# KiCad board klor1_4_LP_KS33.kicad_pcb (continued)
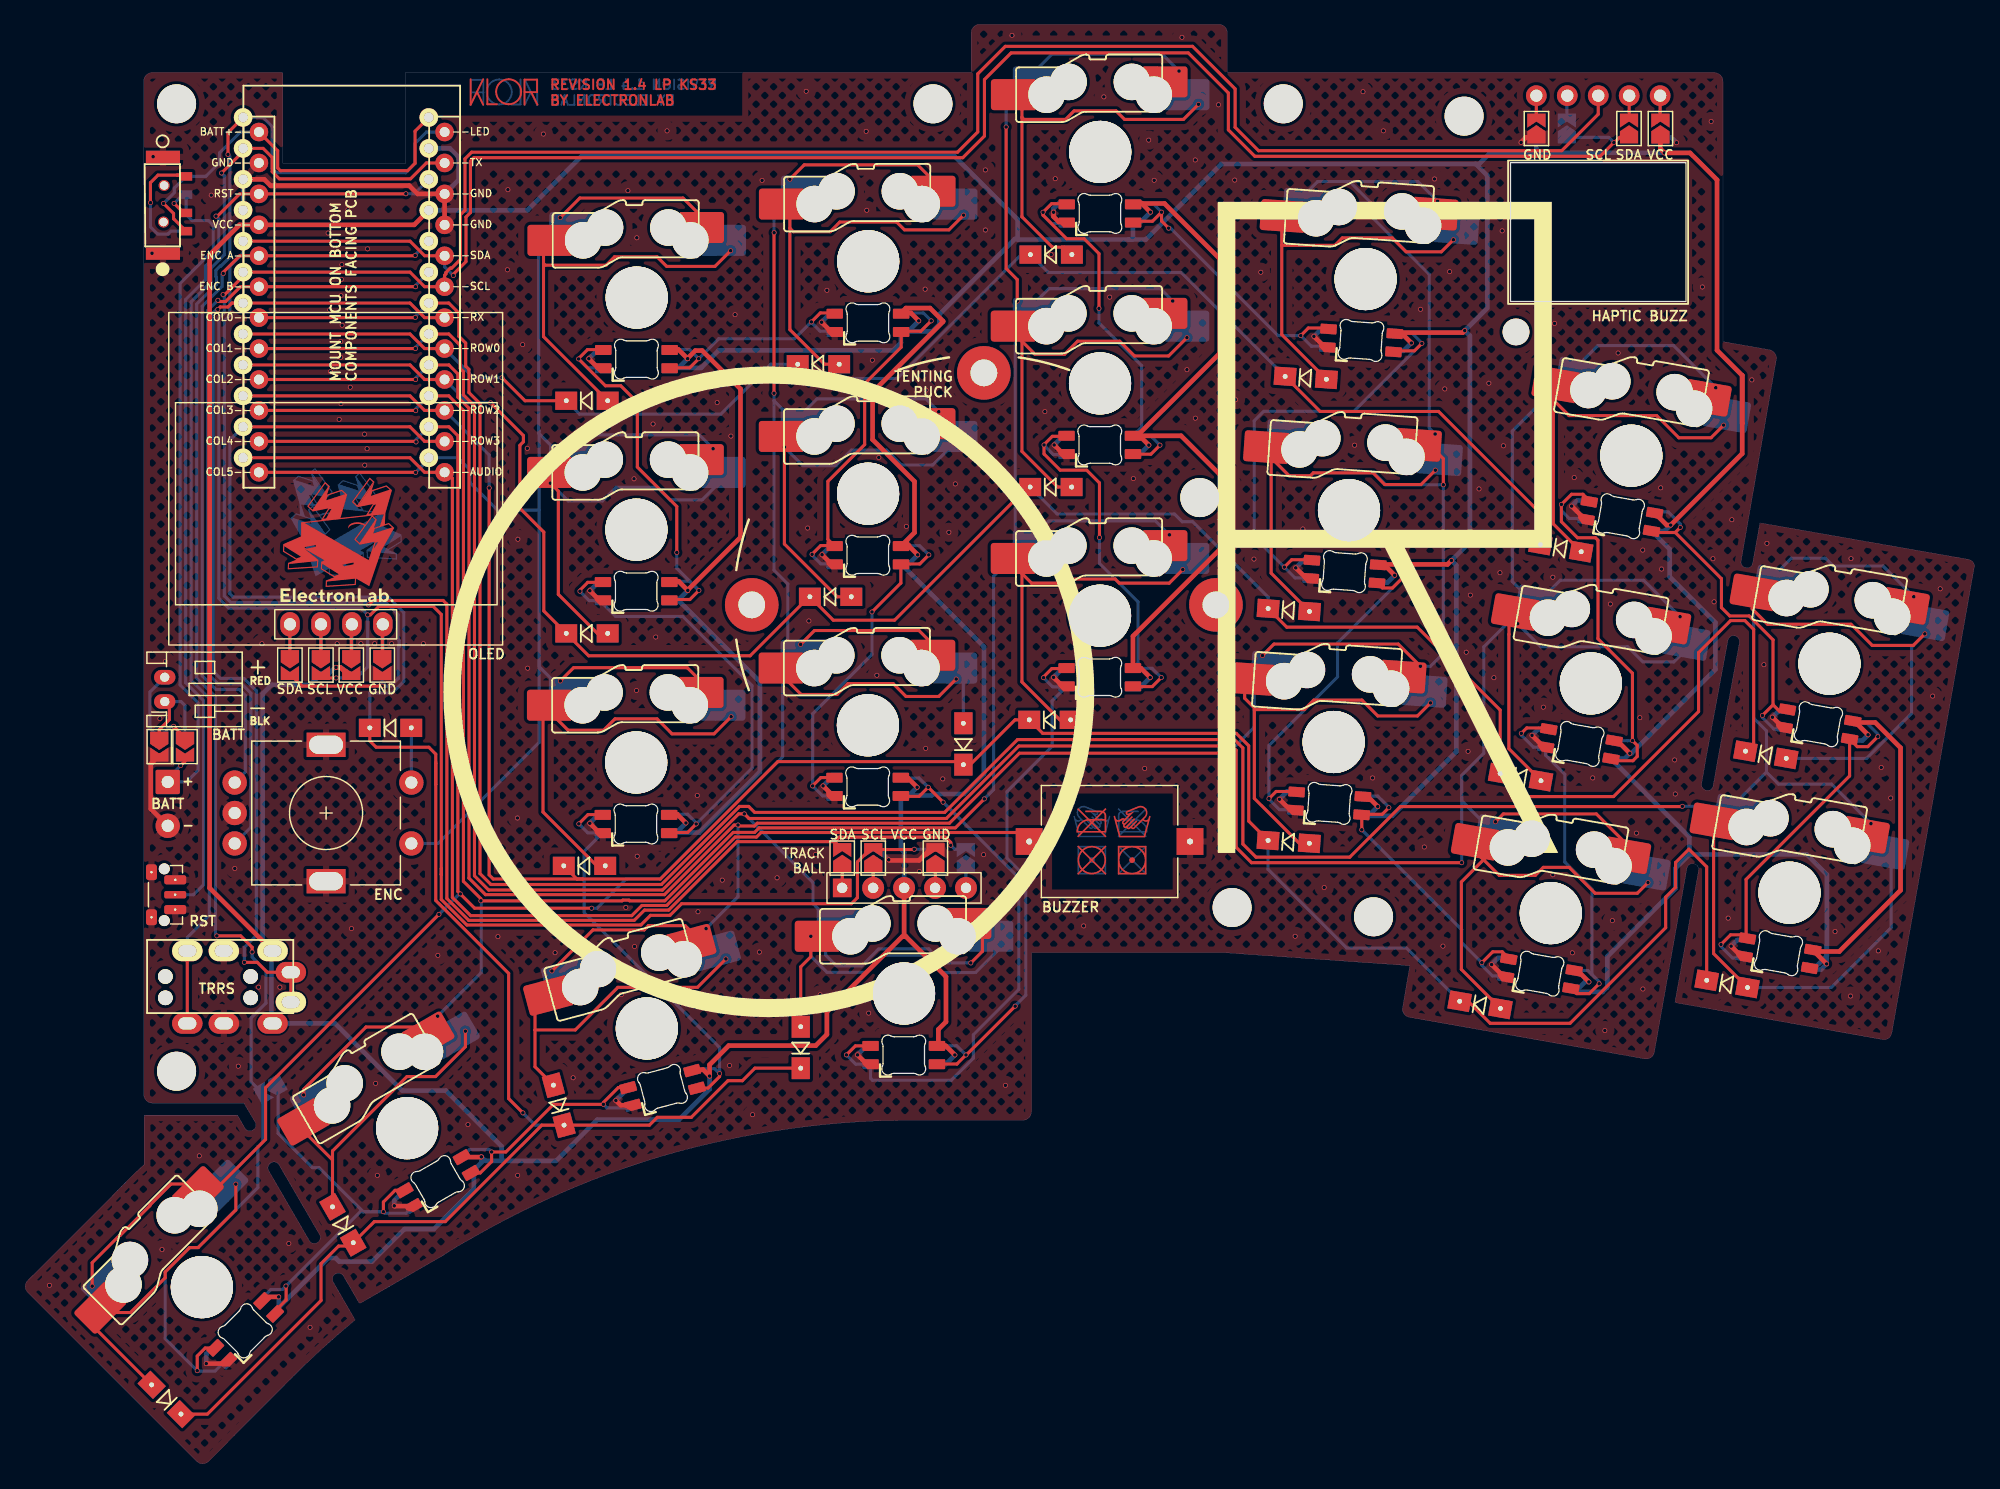
[diagram p0: board, top side]
## Routing (per net, layer and track width the routed paths; a pad name or vN(x,y) marks a point on that pad's centre or on a via; arc(x,y) is an arc through that point) (continued)
VCC: length 825.1
  Top w0.381: 90.79,84.46 91.54,84.46 v1(92.29,83.71) ; 74.87,34.39 75.62,34.39 v1(76.37,33.64) ; 72.36,43.35 75.64,40.07 75.64,36.36 75.01,35.73 75.01,34.34 ; 72.36,43.35 72.2,43.51 J3.3 ; 72.36,43.35 72.04,43.35 65.87,37.17 65.87,35.32 64.95,34.4 57.81,34.4 56.24,32.83 v1(56.24,31.9) 55.71,32.43 54.89,32.43 SW21.4 ; v1(92.42,102.84) 91.67,103.59 90.92,103.59 ; 90.92,103.59 91.6,103.59 ; 71.77,56.37 72.45,56.37 ; 53.42,72.47 52.94,72.47 ; 90.9,65.38 91.65,65.38 v1(92.4,64.63) ; 71.82,75.45 72.57,75.45 v1(73.32,74.7) ; 71.77,56.37 72.52,56.37 v1(73.27,55.62) ; v1(128.41,39.63) 127.38,40.66 127.17,40.66 ; 140.99,89.43 138.92,91.5 138.92,105.49 136.71,107.7 v1(134.61,107.7) 134.27,108.04 134.27,108.6 ; 140.99,89.43 140.99,83.01 v1(135.12,77.14) 134.79,77.14 SW5.4 ; 140.99,89.43 140.99,85.52 141.02,85.49 ; U1.21 32,101.8 U1.21 17.67,101.8 15.2,99.34 15.2,47.35 J1.1 ; 52.94,53.4 53.58,53.4 v1(54.3,52.68) ; 25.59,65.45 v1(25.58,65.47) 25.94,65.47 26.48,64.93 JP2.2 ; v1(147.92,41.11) 146.9,42.13 146.86,42.13 148.95,42.13 153.98,47.16 153.98,58.86 151.9,60.94 150.18,60.94 150.3,60.94 v1(151.32,59.92) ; v1(118.22,93.11) 118.05,92.95 112.45,92.95 112.98,92.95 v1(113.84,92.09) ; SW7.4 73.06,76.53 73.06,80.72 69.62,84.16 69.62,88.06 75.39,93.84 75.39,93.89 74.32,94.96 72.35,94.96 71.94,94.55 ; SW20.4 37.48,25.25 v1(37.51,25.27) ; v1(73.41,93.91) 72.76,94.56 71.94,94.56 ; 109.79,54.89 110.22,54.89 v1(111.08,54.03) ; 72.29,75.39 71.81,75.39 ; 90.79,84.46 91.47,84.46 ; v1(131.77,58.4) 130.73,59.44 SW10.4 ; v1(112.47,73.02) 111.57,73.92 111.12,73.92 116.8,73.92 v1(117.13,74.24) ; 72.61,75.48 71.94,75.48 ; 74.87,34.39 75.55,34.39 ; 90.99,103.55 93.57,103.55 98.12,99 98.12,91.26 91.33,84.48 SW8.4 94.93,84.48 98.93,80.48 98.93,75.96 90.99,68.02 SW14.4 ; 71.82,75.45 72.5,75.45 ; 90.9,65.38 91.58,65.38 ; 52.95,72.53 53.63,72.53 ; 52.95,72.53 53.7,72.53 v1(54.45,71.78) 54.45,71.82 58.77,76.14 58.77,88.32 55.62,91.47 55.07,91.47 54.44,90.84 v1(54.44,90.8) 53.68,91.56 52.94,91.56 ; 19.28,13.43 19.62,13.77 v1(20.88,13.77)
  Bottom w0.381: SW6.4 53.68,70.97 60.37,64.28 60.37,56.89 55.38,51.9 52.94,51.9 ; 39.17,24.94 37.84,24.94 v1(37.51,25.27) 37.51,24.8 SW20.4 36.9,23.71 36.9,22.63 33.61,19.34 31.2,19.34 28.53,16.68 25.83,16.68 25.55,16.96 24.93,16.96 20.34,12.37 20.88,12.91 v1(20.88,13.77) ; 39.17,24.94 43.64,24.94 47.02,28.32 53.73,28.32 56.24,30.83 v1(56.24,31.9) ; 39.17,24.94 39.17,26.13 34.59,30.71 31.01,30.71 25.5,36.23 J1.1 ; 52.94,90.05 55.55,90.05 56.99,91.49 71.32,91.49 71.94,92.12 71.94,93.05 74.51,93.05 75.1,93.64 75.1,94.44 81.29,100.63 81.52,100.63 ; v1(128.41,39.63) 128.09,39.63 127.27,38.81 129.52,38.81 129.92,39.21 129.92,41.72 135.5,47.31 135.5,48.95 136.65,50.1 ; v1(92.42,102.84) 91.68,102.09 90.92,102.09 ; 146.6,40.65 147.46,40.65 v1(147.92,41.11) 147.92,42.65 ; 136.65,50.1 146.28,50.1 147.94,48.44 147.94,41.79 146.93,40.78 SW17.4 ; 136.65,50.1 136.65,51.53 SW10.4 131.32,57.96 v1(131.77,58.4) 131.89,58.4 138.79,65.29 138.79,69.14 135.04,72.89 135.04,75.16 SW5.4 134.63,76.66 v1(135.12,77.14) ; 119.12,106.79 119.4,106.79 120.24,107.63 123.82,107.63 ; 119.12,106.79 98.24,106.79 92.03,100.59 90.61,100.59 ; 119.12,106.79 120.07,105.84 120.07,94.96 v1(118.22,93.11) 118.64,92.69 118.64,75.75 v1(117.13,74.24) 117.53,73.84 117.53,58.54 112.26,53.27 109.81,53.27 109.69,53.4 110.44,53.4 v1(111.08,54.03) ; v1(113.84,92.09) 113.19,91.45 112.35,91.45 ; 52.94,90.06 53.69,90.06 v1(54.44,90.8) ; 71.77,54.87 72.53,54.87 v1(73.27,55.62) ; v1(54.45,71.78) 53.71,71.03 52.95,71.03 ; v1(92.29,83.71) 91.55,82.96 90.79,82.96 ; 111.02,72.42 111.87,72.42 v1(112.47,73.02) ; 71.94,73.98 78.76,67.15 78.76,56.73 77.09,55.06 74.58,55.06 74.46,54.95 71.98,54.95 SW13.4 71.94,50.57 72.2,50.31 J3.3 ; v1(76.37,33.64) 75.63,32.89 74.87,32.89 ; 90.9,63.88 91.66,63.88 v1(92.4,64.63) ; 81.52,100.63 81.56,100.59 90.9,100.59 90.99,100.68 90.99,102.05 ; 81.52,100.63 81.52,102.24 76.33,107.43 45.73,107.43 41.29,102.99 U1.21 ; 123.68,107.71 134.6,107.71 v1(134.61,107.7) ; 71.94,93.06 72.55,93.06 v1(73.41,93.91) ; v1(54.3,52.68) 53.52,51.9 52.94,51.9 ; 20.24,42.18 19.56,42.86 19.56,63.31 20.29,64.03 23.44,64.03 JP7.2 24.97,64.93 25.51,65.47 v1(25.58,65.47) 25.56,65.45 ; 149.92,59.46 150.85,59.46 v1(151.32,59.92) ; 20.28,36.32 20.28,42.09 ; v1(73.32,74.7) 72.58,73.95 71.82,73.95 ; JP12.1 124.1,107.66
+BATT: length 33.4
  Top w0.254: v1(11.42,103.55) 12.24,102.73 12.24,102.3 12.25,102.3 PSW1.3 ; U1.24 20.79,107.88 20.79,106.46 21.01,106.24 31.46,106.24 32.07,106.85 32.07,109.49 U1.24
  Bottom w0.254: v1(11.42,103.55) 12.3,104.44 12.3,104.81 PSW1.3 14.89,105.78 16.02,106.91 16.02,107.72 17.72,109.42 U1.24
/PAD1: length 7.6
  Top w0.254: 11.07,59.45 11.07,60.34 11.9,61.17 11.9,62.28
  Bottom w0.254: JP23.1 13.18,62.33 12.86,62.65 BT1.1
/PAD2: length 8.7
  Top w0.254: v1(12.25,60.62) 12.25,60.62 JP24.1
  Bottom w0.254: BT1.2 10.31,63.44 10.31,60.44 JP25.1 12.02,60.62 v1(12.25,60.62)
/PSW: length 59.5
  Top w0.254: v1(12.83,57.4) 13.19,57.76 JP24.2 ; 13.07,102.78 v1(12.29,103.56)
  Bottom w0.254: PSW1.2 13.27,102.64 13.76,102.15 15.1,102.15 15.5,101.75 15.5,99.71 12.78,96.99 12.78,64.02 14.25,62.55 14.25,57 13.31,56.05 BT2.1 11.77,56.34 v1(12.83,57.4) 13.18,57.75 JP23.2 ; 13.01,104.28 v1(12.29,103.56)
AUDIO: length 103.2
  Top w0.254: BZ1.1 81.73,51.9 60.46,51.9 60.09,51.53 58.34,51.53 52.72,45.91 50.69,45.91 49.85,45.07 36.63,45.07 35.13,46.57 35.13,68.45 35.13,68.45 35.13,81 34.65,81.48 ; U1.12 31.65,82.67 32.85,81.48 U1.12
col0: length 228.1
  Top w0.254: U1.18 32.06,94.18 v1(32.08,94.2) ; 136.06,54.04 136.07,54.05 v1(136.08,54.05) 136.08,54.06 136.05,54.03 112.93,54.03 108.78,49.88 101.08,49.88 100.01,50.95 100.01,58.84 99.32,59.53 81.51,59.53 75.53,53.55 59.94,53.55 59.45,54.04 58.7,54.04 52.29,47.63 38.29,47.63 37.39,48.53 37.39,87.12 36.49,88.03 36.49,89.93 36.22,90.2 36.22,92.09 35.66,92.65 35.66,94.55 34.83,95.37 U1.18
  Bottom w0.254: U1.18 32.08,94.26 v1(32.08,94.2) ; v1(155.07,71.26) 152.54,73.79 148.46,73.79 147.83,74.42 145.02,74.42 141.93,71.33 141.93,61.3 142.98,60.25 142.98,56.86 ; 142.98,56.86 139.79,53.67 139.41,54.05 v1(136.08,54.05) ; 142.98,56.86 143.96,55.87 148.32,55.87 v1(151.56,52.63)
col1: length 279.8
  Top w0.254: v1(77.68,41.19) 78.63,42.14 78.63,44.22 ; v1(32.1,91.64) 32.09,91.64 U1.17 ; 132.27,50.18 129.02,53.43 121.38,53.43 v1(120.74,52.78) ; v1(117.97,49.42) 100.72,49.42 99.46,50.68 99.46,58.65 99.09,59.02 98.54,59.02 98.53,59 81.62,59 75.67,53.05 59.47,53.05 v1(59.09,53.43) 58.62,53.43 52.37,47.18 38.1,47.18 36.94,48.34 36.94,86.93 36.03,87.84 36.03,89.74 35.77,90.01 35.77,91.9 34.83,92.83 U1.17
  Bottom w0.254: 65.11,45.67 65.76,45.02 65.76,41.84 66.65,40.95 68.73,40.95 70.12,42.34 74.23,42.34 75.38,41.19 v1(77.68,41.19) ; 65.11,45.67 65.69,45.1 65.69,45.09 65.69,45.09 66.16,44.62 ; 65.11,45.67 64.73,46.06 64.73,47.8 59.1,53.43 v1(59.09,53.43) ; v1(135.89,69.62) 132.9,72.61 126.05,72.61 125.01,71.57 124.2,71.57 123.63,71 ; 123.63,71 122.12,72.51 122.12,84.86 129.14,91.88 135.36,91.88 v1(138.82,88.42) ; 123.63,71 119.78,67.15 119.78,58.41 117.97,56.59 117.97,54.76 ; v1(32.1,91.64) 32.1,91.74 U1.17 ; 117.97,54.76 117.97,54.51 120.34,52.14 ; 117.97,54.76 v1(117.97,49.42)
col2: length 247.2
  Top w0.254: v1(32.11,89.09) 32.1,89.1 U1.16 ; v1(114.58,65.55) 112.76,67.37 102.56,67.37 v1(101.62,66.43) ; 55.42,43.06 54.23,44.25 51.22,44.25 50.87,43.9 46.67,43.9 v1(43.3,40.53) ; 115.15,83.9 116.46,82.59 v1(116.46,80.45) ; v1(98.8,58.41) 81.67,58.41 75.92,52.67 60.15,52.67 59.92,52.44 58.65,52.44 v1(58.57,52.52) 58.25,52.52 52.53,46.8 37.84,46.8 36.49,48.16 36.49,86.74 35.58,87.65 35.58,89.56 34.84,90.29 U1.16
  Bottom w0.254: v1(114.58,65.55) 115.4,65.55 116.46,66.61 v1(116.46,80.45) 111.73,80.45 110.74,81.44 105.86,81.44 105.59,81.17 103.83,81.17 102.62,82.38 102.62,84.2 103.11,84.69 ; 104.47,103.67 106.15,105.35 108.65,105.35 ; 108.65,105.35 114.37,105.35 v1(115.99,103.73) ; 108.65,105.35 108.77,105.35 110.49,103.63 110.49,102.54 115.3,97.73 115.3,85.11 v1(115.79,84.62) ; v1(55.95,44.01) 58.57,46.64 v1(58.57,52.52) ; 101.85,65.66 100.93,64.74 100.93,60.54 v1(98.8,58.41) ; U1.16 32.11,89.21 v1(32.11,89.09)
col3: length 230.2
  Top w0.254: v1(32.12,86.54) 32.1,86.56 U1.15 ; U1.15 34.83,87.75 36.03,86.55 36.03,47.89 37.47,46.46 v1(37.47,46.29) 49.06,46.29 49.11,46.35 49.62,46.35 49.67,46.29 52.56,46.29 58.18,51.91 59.93,51.91 60.3,52.28 76.41,52.28 v1(78.79,54.66) ; 33.86,35.79 33.71,35.93 28.04,35.93 22.93,30.82 v1(22.93,30.35) ; v1(80.58,109.83) 80.58,98.21 81.49,97.3 v1(81.49,95.53)
  Bottom w0.254: 82.25,75.65 81.32,76.57 81.32,95.37 v1(81.49,95.53) ; v1(37.47,46.29) 37.5,46.26 37.5,40.4 v1(33.92,36.82) ; v1(93.98,76.34) 92.83,77.49 84.09,77.49 79.55,72.95 79.55,55.42 v1(78.79,54.66) ; v1(32.12,86.54) 32.12,86.68 U1.15 ; v1(94.25,95.54) 93.23,96.56 84.09,96.56 82.25,94.72 ; v1(80.58,109.83) 80.58,112.04 84.35,115.81 93.38,115.81 v1(94.77,114.42)
col4: length 224.7
  Top w0.254: v1(61.53,87.97) 61.53,101.14 v1(61.54,101.15) ; v1(32.15,83.97) 32.1,84.02 U1.14 ; v1(34.03,45.18) 19.8,30.95 19.8,26.7 16.13,23.04 12.03,23.04 10.3,21.32 10.3,21.26 7.87,18.83 7.82,18.83 5.57,16.58 v1(5.57,14.65) ; v1(62.83,105.54) 64.01,106.72 73.31,106.72 75.29,104.74 ; v1(46.56,45.69) 36.95,45.69 v1(35.78,46.86) 35.58,47.06 35.58,84.48 34.85,85.21 U1.14 ; 75.26,66.65 73.42,68.49 64.85,68.49 v1(63.71,67.34)
  Bottom w0.254: v1(32.15,83.97) 32.15,84.17 U1.14 ; v1(46.56,45.69) 46.99,45.69 49.41,48.1 52.21,48.1 62.23,58.12 62.23,65.68 63.2,66.65 62.66,67.19 62.66,72.31 61.53,73.44 61.53,87.35 ; v1(35.78,46.86) 35.7,46.86 v1(34.03,45.18) ; v1(61.53,87.97) 61.53,87.35 ; 61.53,87.35 63.21,85.66 65.05,87.5 74,87.5 v1(75.05,86.45) ; 63.22,104.74 61.53,103.05 61.53,101.16 v1(61.54,101.15)
col5: length 130.2
  Top w0.254: v1(43.99,64.34) 45.08,65.43 54.41,65.43 56.25,63.59 ; 56.29,101.76 54.06,104 45.59,104 v1(43.98,102.38) ; U1.13 32.1,81.48 v1(32.11,81.47)
  Bottom w0.254: 42.25,65.95 42.25,65.53 44.18,63.59 ; 42.25,65.95 42.25,59.29 33.96,51 SW18.S1 ; 42.25,65.95 42.25,78.36 42.26,78.37 ; 42.21,84.91 42.25,84.87 42.25,78.38 42.26,78.37 ; 42.21,84.91 42.21,99.75 44.22,101.76 ; 42.21,84.91 42.21,84.7 44.2,82.71 46.04,84.55 55.39,84.55 v1(56.53,83.41) ; 42.26,78.37 38.83,78.37 36.58,80.62 36.58,81.67 35.58,82.67 U1.13 ; 33.19,82.55 v1(32.11,81.47)
ENCA: length 63.5
  Top w0.254: v1(16.32,97.8) 16.34,97.82 16.34,97.92 17.68,99.26 U1.20 32.05,99.26 v1(32.08,99.28)
  Bottom w0.254: v1(16.32,97.8) 16.22,97.71 16.22,96.73 14.6,95.1 14.6,64.77 15.72,63.65 17.65,63.65 18.13,63.16 18.13,56.88 SW18.A ; U1.20 32.08,99.34 v1(32.08,99.28)
ENCB: length 66.5
  Top w0.254: v1(32.11,96.72) 32.1,96.72 U1.19 17.74,96.72 16.52,95.5 15.98,95.5 v1(15.88,95.6)
  Bottom w0.254: U1.19 32.11,96.83 v1(32.11,96.72) ; SW18.B 18.59,52.33 18.59,63.35 17.83,64.1 15.91,64.1 15.05,64.96 15.05,94.77 v1(15.88,95.6)
LED: length 142
  Top w0.254: v1(18.69,42.09) 18.69,42.48 17.75,43.42 v1(15.8,43.42) ; 15.42,9.57 14.84,9.57 14.19,8.92 v1(14.19,7.71) ; v1(16.71,107.57) 16.71,109.37 U1.1
  Bottom w0.254: 16.49,8.51 15.66,7.69 14.21,7.69 v1(14.19,7.71) 11.56,10.34 11.56,15.81 13.56,17.81 14.23,17.81 19.17,22.75 19.17,26.11 19.56,26.51 JP26.2 18.61,31.44 18.61,36.67 19.83,37.9 19.83,40.53 18.69,41.67 v1(18.69,42.09) ; U1.1 33,109.42 32.06,108.48 32.06,106.83 31.3,106.07 20.69,106.07 20.34,106.43 20.34,109.87 19.59,110.61 U1.1 ; v1(16.71,107.57) 16.86,107.42 16.86,99.14 16.13,98.41 16.07,98.41 15.71,98.05 15.71,97.55 15.77,97.49 15.77,96.92 14.14,95.29 14.14,64.58 15.69,63.04 15.69,43.53 v1(15.8,43.42)
RESET: length 78.1
  Top w0.254: v1(15.73,102.51) 15.85,102.51 17.67,104.34 U1.22 31.3,104.34 v1(31.31,104.35)
  Bottom w0.254: v1(15.73,102.51) 15.96,102.28 15.96,99.52 14.86,98.43 14.86,97.3 13.23,95.67 13.23,64.21 14.7,62.75 14.7,47.61 13.88,46.79 RSW1.2 ; v1(31.31,104.35) 31.32,104.35 32.01,104.35 U1.22
row0: length 127
  Top w0.254: D4.1 106.35,86.47 116.07,86.47 124.42,78.12 D5.1 ; D1.1 41.09,87.35 v1(39.2,89.24) ; U1.8 31.65,92.83 32.85,91.64 U1.8
  Bottom w0.254: U1.8 36.88,89.24 v1(39.2,89.24) ; D1.1 45.57,86.25 57.16,86.25 61.26,90.35 D2.1 64.64,89.18 71.65,89.18 81.82,99.35 D3.1 84.04,97.88 94.94,97.88 D4.1
row1: length 182.7
  Top w0.254: D11.1 141.93,59.25 141.93,68.58 141.21,69.3 140.04,69.3 137.41,66.67 137.41,61.83 130.43,54.85 123.01,54.85 D10.1 121.12,61.96 114.32,68.76 103.61,68.76 D9.1 ; D8.1 82.35,80.27 71.42,69.33 66.39,69.33 64.31,71.41 64.31,71.16 59.57,66.41 46.31,66.41 D6.1 42.63,70.09 42.63,76.57 40.67,78.53 40.67,83.69 40.96,83.98 40.96,84.49 v1(38.27,87.18) ; U1.9 32.85,89.1 31.65,90.29 U1.9
  Bottom w0.254: D9.1 102.08,71.23 95.89,77.42 95.03,77.42 94.39,78.05 84.77,78.05 D8.1 ; v1(38.27,87.18) 36.4,87.18 U1.9
row2: length 198.2
  Top w0.254: D12.1 45.35,48.09 45.82,48.09 ; 45.82,48.09 52.2,48.09 61.84,57.72 76.82,57.72 D13.1 77.63,57.47 81.31,61.15 D14.1 83.58,60.04 99.47,60.04 100.49,59.02 100.49,52.84 D15.1 ; 45.82,48.09 38.48,48.09 38.15,48.42 v1(38.15,80.19) ; U1.10 32.85,86.56 31.65,87.75 U1.10 ; D17.1 138.07,49.08 136.62,50.53 135.52,49.43 135.52,47.4 134.71,46.59 134.71,44.08 126.86,36.24 120.31,36.24 118.49,38.05 D16.1
  Bottom w0.254: D16.1 113.43,42.41 108.54,42.41 102.07,48.88 D15.1 ; U1.10 38.15,82.9 v1(38.15,80.19)
row3: length 167.1
  Top w0.254: 33.76,55.85 33.76,58.34 33.2,58.9 28.87,58.9 28.35,59.42 D18.1 ; 33.76,55.85 33.76,46.32 39.75,40.34 39.75,30.05 v1(40.92,28.88) ; 33.76,55.85 33.76,57.69 ; D19.1 15.02,4.15 24.35,13.47 24.35,16.5 25.79,17.95 26.99,17.95 ; U1.11 31.65,85.21 32.85,84.02 U1.11 ; D20.1 28.72,19.95 34.55,19.95 42.47,27.87 D21.1 51.3,27.87 51.94,28.52 54.74,28.52 57.74,31.52 58.93,31.52 59.96,32.55 D22.1
  Bottom w0.254: U1.11 16.86,84.12 16.86,71.51 17.14,71.23 29.87,71.23 31.14,69.96 31.14,64.3 30.19,63.36 28.35,63.36 D18.1 ; v1(40.92,28.88) 41.93,27.87 D21.1
RX: length 82.8
  Top w0.254: J1.3 J1.3 19.93,40.43 19.12,41.24 v1(18.06,41.24) ; U1.7 32.85,94.18 31.65,95.37 U1.7 17.03,95.37 16.71,95.05 16.07,95.05 v1(15.87,94.85)
  Bottom w0.254: v1(18.06,41.24) 18.06,42.47 19.04,43.46 19.04,63.53 18.02,64.55 16.1,64.55 15.5,65.15 15.5,94.58 15.77,94.85 v1(15.87,94.85)
SCL: length 260.8
  Top w0.254: U1.6 31.65,97.91 32.85,96.72 U1.6 34.49,97.66 34.6,97.77 34.6,97.88 34.95,98.24 35.07,98.24 35.79,98.96 35.79,102.62 36.16,102.99 36.16,107.22 36.7,107.76 76.58,107.76 78.25,109.42 78.25,114.19 80.51,116.45 95.88,116.45 99.37,112.96 99.37,109.81 101.29,107.88 126.18,107.88 129.17,110.88 129.17,111.8 ; JP3.2 24.67,64.59 v1(25.59,64.59) ; 34.22,48.95 34.22,69.8 33.56,70.46 29.09,70.46 28.4,69.77 v1(28.18,69.77) ; 34.22,48.95 34.22,48.44 34.22,48.44 34.22,48.5 ; 34.22,48.95 34.22,46.4 36.31,44.31 50.6,44.31 51.39,45.1 52.99,45.1 53.94,46.05 67.87,46.05 68.37,46.55 68.37,49.49 69.41,50.53 69.67,50.53 69.7,50.5 73.01,50.5 v1(73.04,50.53) ; v1(16.31,96.07) 16.44,96.07 17.95,97.58
  Bottom w0.254: 16.41,95.87 16.41,94.57 15.96,94.11 15.96,71.14 16.77,70.32 27.62,70.32 v1(28.18,69.77) 28.18,65.5 27.6,64.93 JP6.2 26.51,64.59 v1(25.59,64.59) ; 16.41,95.87 16.41,95.97 v1(16.31,96.07) ; 16.41,95.87 16.41,96 ; v1(73.04,50.53) JP20.2
SDA: length 280
  Top w0.254: v1(76.03,50.86) 76.03,51.09 75.6,51.52 66.87,51.52 66.5,51.15 ; U1.5 32.85,99.26 31.65,100.45 U1.5 ; v1(29.36,63.92) 22.8,63.92 JP4.2 ; v1(28.24,70.58) 28.61,70.95 34.37,70.95 34.67,70.65 34.67,46.49 36.47,44.69 50.06,44.69 50.89,45.53 52.88,45.53 58.5,51.15 66.5,51.15 ; JP28.1 130.93,108.98 130.51,108.55 v1(130.46,108.55) 129.33,107.42 100.99,107.42 98.82,109.59 98.82,112.62 95.53,115.91 80.99,115.91 78.8,113.72 78.8,109.09 77.02,107.31 36.89,107.31 36.61,107.03 36.61,102.8 36.24,102.43 36.24,98.77 35.2,97.74 v1(35.2,97.63) ; 67.12,50.53 66.5,51.15
  Bottom w0.254: 77.27,50.53 76.35,50.53 v1(76.03,50.86) ; 27.75,70.78 28.05,70.78 v1(28.24,70.58) ; 27.75,70.78 29.68,70.78 30.68,69.78 30.68,67.72 30.75,67.65 30.75,67.15 30.68,67.08 30.68,64.54 30.07,63.92 v1(29.36,63.92) 29.36,64.9 JP5.2 ; 27.75,70.78 16.95,70.78 16.41,71.32 16.41,93.91 16.86,94.36 16.86,98.39 17.95,99.48 U1.5 ; JP27.1 130.03,108.98 v1(130.46,108.55) ; v1(35.2,97.63) 34.49,98.35 U1.5
SW18B: length 4.5
  Bottom w0.254: SW18.S2 31.76,60.48
TX: length 93.7
  Top w0.254: U1.2 19.59,108.07 20.34,107.33 20.34,106.16 20.93,105.57 31.69,105.57 33,106.88 U1.2 ; v1(16.18,106.05) 17.95,107.82 ; J1.4 J1.4
  Bottom w0.254: J1.4 13.37,43.29 15.18,45.09 15.18,62.91 13.69,64.4 13.69,95.48 15.32,97.11 15.32,98.24 16.41,99.33 16.41,105.82 v1(16.18,106.05)
Net-(D1-A): length 31.9
  Top w0.254: 42.61,98.62 42.75,98.48 47.75,98.48 48.44,99.17 51.93,99.17 52.72,98.38 56.68,98.38 v1(57.97,99.67) ; 42.61,98.62 42.61,92.62 D1.2 ; 42.61,98.62 42.61,100.52
Net-(D2-A): length 30.8
  Top w0.254: 62.83,103.27 62.83,101.51 ; 62.83,101.51 63.11,101.23 66.14,101.23 66.93,102.02 71.6,102.02 72.24,101.38 75.88,101.38 v1(77.09,102.59) ; 62.83,101.51 62.83,93.19 65.67,90.35 D2.2
Net-(D3-A): length 31.6
  Top w0.254: 81.87,110.61 81.87,111.26 80.65,112.48 ; 81.87,110.61 82.03,110.45 85.46,110.45 86.16,111.15 89.59,111.15 90.3,110.45 95.13,110.45 v1(96.37,111.69) ; 81.87,110.61 81.87,102.46 84.37,99.96 85.36,99.96 D3.2
Net-(D4-A): length 31.2
  Top w0.254: 103.2,100.11 103.2,92.78 D4.2 ; 103.2,100.11 107.56,100.11 108.17,100.72 112.26,100.72 113.4,99.58 116.3,99.58 v1(117.29,100.57) ; 103.2,100.11 103.2,101.4 104.73,102.93
Net-(D5-A): length 32.1
  Top w0.254: D5.2 125.49,77.24 125.49,88.48 125.17,88.8 125.17,87.74 126.78,86.13 133.97,86.13 135.79,84.31 138.43,84.31 v1(139.47,85.35)
Net-(D6-A): length 31.9
  Top w0.254: D6.2 47.03,68.25 43.82,71.46 43.82,79.94 v1(43.18,80.58)
  Bottom w0.254: SW6.6 55.62,79.21 52.98,79.21 51.94,80.25 48.57,80.25 47.45,79.13 44.63,79.13 v1(43.18,80.58)
Net-(D7-A): length 32.4
  Top w0.254: D7.2 66.71,71.26 62.38,75.59 v1(62.38,83.54)
  Bottom w0.254: SW7.6 74.55,82.08 71.98,82.08 70.76,83.3 67.88,83.3 66.61,82.02 63.9,82.02 v1(62.38,83.54)
Net-(D8-A): length 34.4
  Top w0.254: 82.58,93.9 81.87,93.19 ; D8.2 84.8,80.27 81.87,83.2 81.87,92.24 80.63,93.48 82.94,91.17 85.38,91.17 86.45,92.24 89.9,92.24 91.11,91.03 93.92,91.03 v1(95.42,92.53)
Net-(D9-A): length 31.6
  Top w0.254: v1(115.81,81.65) 114.63,80.47 111.65,80.47 110.69,81.43 105.79,81.43 105.55,81.19 103.81,81.19 101.41,83.59 102.33,82.67 102.33,73.2 D9.2
Net-(D10-A): length 31.3
  Top w0.254: 121.85,70.1 121.85,68.18 121.84,68.18 121.84,58.79 D10.2
  Bottom w0.254: v1(122.56,69.04) 124.45,67.15 131.6,67.15 132.84,65.91 135.37,65.91 SW10.6
Net-(D11-A): length 35.7
  Top w0.254: v1(155.98,68.21) 155.03,67.26 151.66,67.26 149.92,69 143.07,69 141.81,70.26 141.81,71.34
  Bottom w0.254: v1(155.98,68.21) 154.89,67.12 154.89,61.68 151.19,57.99 D11.2
Net-(D12-A): length 33.5
  Top w0.254: D12.2 46.99,49.16 42.57,53.58 42.57,62.35 44.62,60.3 47.55,60.3 48.48,61.23 51.93,61.23 53.16,60 56.6,60 v1(58.01,61.41)
Net-(D13-A): length 21.8
  Top w0.254: v1(76.48,64.5) 75.05,63.07 72.36,63.07 71.3,64.13 67.6,64.13 66.7,63.23 63.75,63.23 61.58,65.41
  Bottom w0.254: SW13.6 77.07,65.22 D13.2
Net-(D14-A): length 32
  Top w0.254: D14.2 84.99,61.15 81.87,64.27 81.87,73.17 80.63,74.41 82.66,72.37 84.72,72.37 85.06,72.71 89.53,72.71 89.86,72.37 93.96,72.37 v1(95.08,73.49)
Net-(D15-A): length 33.6
  Top w0.254: 100.15,64.56 100.15,62.93 100.95,62.13 100.95,61.99 ; 100.95,61.99 100.95,54.7 104.63,51.02 D15.2 ; 100.95,61.99 105.05,61.99 105.83,62.77 109.78,62.77 111.08,61.47 114.34,61.47 v1(115.41,62.54) ; 102.06,64.88 100.95,63.76
Net-(D16-A): length 33.2
  Top w0.254: v1(133.26,47.79) 132.38,46.91 128.92,46.91 126.79,49.04 124.66,49.04 124.01,48.38 121.05,48.38 118.56,50.87 118.56,51.24 ; D16.2 117.94,40.67 117.94,47.84 119.8,49.71 119.8,49.76 119.72,49.84 119.72,50.95
Net-(D17-A): length 34.7
  Top w0.254: D17.2 138.64,41.96 138.64,52.43 138.42,52.64
  Bottom w0.254: D17.2 148.29,39.18 153.21,44.1 SW17.6
Net-(D19-A): length 25.3
  Top w0.254: v1(17.36,23.03) 17.36,20.91 14.27,17.82 13.57,17.82 11.56,15.81 11.56,15.34 8.71,12.49 5.83,12.49 5.83,11.17 10.45,6.55
Net-(D20-A): length 24.4
  Top w0.254: D20.2 25.29,25.02 ; 25.29,25.02 22.44,27.87 ; 25.29,25.02 25.29,25.75 31.4,31.86 33.75,31.86 36.2,34.31 v1(36.2,35.59)
Net-(D21-A): length 28.5
  Top w0.254: v1(57.58,41.52) 55.24,39.19 48.71,39.19 45.22,35.69 41.91,35.69 ; 43.43,31.14 41.91,32.67 41.91,35.69 ; 41.91,35.69 41.91,38.09 43.14,39.33 44.25,39.33
Net-(D22-A): length 28.4
  Top w0.254: D22.2 63.72,40.87 64.55,41.7 v1(64.55,43.38)
  Bottom w0.254: v1(64.55,43.38) 64.55,41.75 65.88,40.42 69.05,40.42 70.45,41.82 73.88,41.82 75.3,40.4 78.07,40.4 79.84,42.18 SW22.6
Net-(J2-Pin_1): length 3.3
  Top w0.254: J2.1 124.09,110.43 JP13.2
  Bottom w0.254: JP13.2 124.1,111.8
Net-(J2-Pin_2): length 1.3
  Bottom w0.254: JP27.2 126.6,111.77
Net-(J2-Pin_4): length 1.4
  Top w0.254: 131.71,111.8 131.71,110.44 JP28.2
Net-(J2-Pin_5): length 3.4
  Top w0.254: 134.25,111.8 134.25,110.45 JP14.2
  Bottom w0.254: J2.5 134.25,110.45 JP14.2
Net-(J3-Pin_1): length 1.7
  Top w0.254: JP16.1 J3.1
Net-(J3-Pin_2): length 3.7
  Top w0.254: JP17.1 69.67,47.36
  Bottom w0.254: J3.2 69.66,47.36 69.66,49.29
Net-(J3-Pin_4): length 3.4
  Top w0.254: JP18.1 74.77,47.38
  Bottom w0.254: JP18.1 74.77,47.38
Net-(J3-Pin_5): length 1.7
  Bottom w0.254: JP21.1 77.27,47.36
Net-(OLED1-GND): length 5.2
  Top w0.254: 29.38,66.38 29.38,68.95
  Bottom w0.254: 29.38,66.38 29.42,66.41 OLED1.1
Net-(OLED1-SCL): length 5.5
  Top w0.254: 24.34,66.38 24.34,69
  Bottom w0.254: OLED1.3 24.34,66.15
Net-(OLED1-SDA): length 5.5
  Top w0.254: 21.79,66.38 21.79,68.99
  Bottom w0.254: OLED1.4 21.8,66.15
Net-(OLED1-VCC): length 5.2
  Top w0.254: 26.83,66.38 26.83,68.95
  Bottom w0.254: 26.84,66.38 26.88,66.42 OLED1.2
Net-(SW1B-DIN): length 33.9
  Top w0.254: v1(55.36,71.78) 54.62,71.03 52.95,71.03 ; v1(53.55,74.89) 53.55,78.67 50.31,81.91 50.31,87.22 48.95,88.58 47.69,88.58 v1(45.49,90.78) 45.49,90.82 46.22,91.55 47.49,91.55
  Bottom w0.254: v1(45.49,90.78) 46.22,90.05 47.49,90.05 ; v1(53.55,74.89) 53.55,73.59 v1(55.36,71.78) 54.61,72.53 52.95,72.53
Net-(SW1B-DOUT): length 20.4
  Top w0.254: v1(64.59,93.82) 65.33,94.56 66.51,94.56 ; 52.94,90.06 54.6,90.06 v1(55.35,90.8)
  Bottom w0.254: 52.94,91.56 54.59,91.56 v1(55.35,90.8) 56.99,92.44 63.21,92.44 v1(64.59,93.82) 64.59,93.78 65.31,93.06 66.51,93.06
Net-(SW2B-DOUT): length 30.4
  Top w0.254: v1(64.65,74.74) 64.65,74.75 65.36,75.46 66.56,75.46 ; v1(74.43,93.91) 73.57,93.06 71.94,93.06 ; SW7.3 65.95,75.97 65.95,80.73 68.97,83.75 68.97,88.76 71.96,91.75 SW2.1
  Bottom w0.254: 71.94,94.56 73.78,94.56 v1(74.43,93.91) ; v1(64.65,74.74) 64.65,74.67 65.36,73.96 66.56,73.96
Net-(SW3B-DIN): length 33
  Top w0.254: v1(88.2,94.93) 88.2,99.43 86.98,100.65 85.54,100.65 83.61,102.58 v1(83.61,102.83) 84.31,103.53 85.54,103.53 ; 90.79,82.96 92.46,82.96 v1(93.2,83.71)
  Bottom w0.254: 90.79,84.46 92.45,84.46 v1(93.2,83.71) ; 85.54,102.03 85.41,101.9 84.29,101.9 83.61,102.58 v1(83.61,102.83) ; SW8.1 91.7,85.19 91.7,90.24 88.2,93.74 v1(88.2,94.93)
Net-(SW3B-DOUT): length 26.5
  Top w0.254: 90.92,102.09 92.59,102.09 v1(93.33,102.84) 93.33,102.11 v1(93.92,101.52) ; 107.01,93.33 105.38,93.33 v1(104.76,92.7)
  Bottom w0.254: 90.92,103.59 92.58,103.59 v1(93.33,102.84) ; v1(93.92,101.52) 94.07,101.52 102.89,92.7 v1(104.76,92.7) 105.63,91.83 106.91,91.83
Net-(SW4B-DOUT): length 39.7
  Top w0.254: 112.35,91.45 114.08,91.45 v1(114.7,92.06) ; v1(103.41,73.69) 104.01,74.3 105.68,74.3
  Bottom w0.254: 105.58,72.8 104.3,72.8 v1(103.41,73.69) 100.94,76.16 100.94,85.7 101.72,86.48 109.12,86.48 v1(114.7,92.06) 114.7,92.09 113.84,92.95 112.45,92.95
Net-(SW10B-DIN): length 30.8
  Top w0.254: SW10.3 125.01,60.49 123.3,60.49 v1(122.86,60.04) ; 126.91,39.18 127.41,38.67 128.44,38.67 v1(129.25,39.48)
  Bottom w0.254: v1(122.86,60.04) 122.86,59.9 123.85,58.91 SW10.3 124.85,58.26 126.43,56.68 126.43,49.47 128.66,47.24 128.66,40.24 ; 128.66,40.24 128.32,40.58 SW16.1 ; 128.66,40.24 129.25,39.65 v1(129.25,39.48)
Net-(SW10B-DOUT): length 33.6
  Top w0.254: SW10.1 130.38,57.8 132.02,57.8 132.37,58.15 132.37,59.06 v1(131.99,59.44) 131.98,59.45 131.98,64.98 129.15,67.81 129.15,75.9 128.95,76.1 127.47,76.1 126.15,77.42 v1(126.15,78.84) 126.98,79.67 127.92,79.67 128.42,79.17
  Bottom w0.254: v1(126.15,78.84) 126.15,78.33 126.79,77.69 128.16,77.69 ; SW10.1 131.59,59.44 131.59,59.44 v1(131.99,59.44)
Net-(SW11B-DIN): length 29.1
  Top w0.254: 143.52,62.39 144.03,61.88 144.82,61.88 ; 143.52,62.39 v1(142.65,61.51) ; 143.52,62.39 143.52,67.72 141.56,69.68 139.97,69.68 139.28,70.37 139.28,72.74 135.49,76.54 ; v1(135.91,76.95) 135.49,76.54 ; 135.49,76.54 133.74,76.54 133.53,76.74
  Bottom w0.254: 133.79,78.22 134.92,78.22 135.91,77.23 v1(135.91,76.95) ; v1(142.65,61.51) 142.65,61.33 143.58,60.4 144.56,60.4
Net-(SW11B-DOUT): length 30.4
  Top w0.254: 149.92,59.46 150.43,58.95 151.3,58.95 v1(152.12,59.77) ; v1(139.25,42.71) 140.04,43.5 141.11,43.5 SW17.3 141.31,43.31 141.31,48.05 149.8,56.55 SW11.1
  Bottom w0.254: 141.23,41.6 140.19,41.6 139.25,42.54 v1(139.25,42.71) ; 150.18,60.94 151.16,60.94 152.12,59.98 v1(152.12,59.77)
Net-(SW12B-DIN): length 34.5
  Top w0.254: 55.21,30.92 56.11,30.92 57.06,31.86 v1(57.06,32.11) ; v1(45.51,52.61) 45.51,52.62 46.26,53.37 47.46,53.37
  Bottom w0.254: v1(45.51,52.61) 46.25,51.87 47.46,51.87 ; 47.49,51.9 45.95,50.36 45.95,45.33 51.26,40.01 51.3,40.01 57.06,34.25 v1(57.06,32.11) 56.66,32.51 54.96,32.51 SW21.1
Net-(SW12B-DOUT): length 37.5
  Top w0.254: v1(55.14,52.6) 54.44,51.9 52.94,51.9 ; v1(45.6,71.71) 45.6,71.8 46.24,72.44 47.52,72.44
  Bottom w0.254: v1(45.6,71.71) 45.6,71.7 46.36,70.94 47.52,70.94 ; SW6.3 47.49,70.68 48.52,69.65 54.03,69.65 59.72,63.96 59.72,57.18 v1(55.14,52.6) 55.14,52.7 54.43,53.4 53.59,53.4
Net-(SW13B-DIN): length 31
  Top w0.254: v1(74.23,74.7) 73.49,73.95 71.82,73.95 ; 66.54,56.41 65.37,56.41 64.7,55.74 v1(64.7,55.72) ; v1(69.57,70.01) 71.94,72.38 71.94,73.98
  Bottom w0.254: v1(74.23,74.7) 73.48,75.45 71.82,75.45 ; v1(69.57,70.01) 69.57,66.52 64.7,61.65 v1(64.7,55.72) 65.51,54.91 66.54,54.91
Net-(SW13B-DOUT): length 47.3
  Top w0.254: 71.77,54.87 73.44,54.87 v1(74.18,55.62) v1(75.41,54.39) ; v1(67.47,33.64) 68.2,34.38 SW22.3
  Bottom w0.254: 71.77,56.37 73.43,56.37 v1(74.18,55.62) ; v1(75.41,54.39) 81.62,48.18 81.62,39.02 77.89,35.29 77.89,33.37 76.07,31.56 69.61,31.56 69.45,31.72 SW22.3 68.23,32.88 v1(67.47,33.64)
Net-(SW14B-DIN): length 45
  Top w0.254: 85.6,65.36 84.33,65.36 83.65,64.68 v1(83.65,64.61) ; 74.87,32.89 76.54,32.89 v1(77.28,33.64) 77.31,33.64 v1(81.32,37.64)
  Bottom w0.254: v1(81.32,37.64) 81.32,37.67 82.19,38.54 82.19,48.25 80.65,49.79 80.65,55.26 84.35,58.96 84.35,62.71 SW14.3 ; 85.6,63.86 84.39,63.86 83.65,64.61 v1(83.65,64.61) ; v1(77.28,33.64) 76.53,34.39 74.87,34.39
Net-(SW14B-DOUT): length 32.8
  Top w0.254: v1(93.31,64.63) 92.57,63.88 90.9,63.88 ; v1(88.24,76.12) 88.24,80.6 87.18,81.65 85.01,81.65 83.69,82.98 v1(83.69,83.72) 83.69,83.75 84.37,84.43 85.56,84.43
  Bottom w0.254: v1(88.24,76.12) 88.24,74 91.4,70.84 91.4,65.81 SW14.1 ; 90.9,65.38 92.56,65.38 v1(93.31,64.63) ; v1(83.69,83.72) 83.69,83.69 84.45,82.93 85.56,82.93
Net-(SW15B-DIN): length 33.3
  Top w0.254: 104.35,55.27 102.74,55.27 v1(102.15,54.68) ; v1(113.27,72.96) 112.28,71.98 111.46,71.98 111.02,72.42
  Bottom w0.254: 111.12,73.92 112.43,73.92 113.27,73.08 v1(113.27,72.96) 107.78,67.47 107.78,64.68 102.15,59.05 v1(102.15,54.68) 102.15,54.63 103,53.78 104.25,53.78
Net-(SW15B-DOUT): length 26.7
  Top w0.254: v1(119.62,41.21) 120.51,42.11 121.29,42.11 121.8,41.6 ; v1(111.99,53.94) 111.44,53.4 109.69,53.4 109.77,53.32 v1(109.77,52.12)
  Bottom w0.254: v1(111.99,53.94) 111.99,53.98 111.07,54.89 109.79,54.89 ; 121.54,40.13 120.5,40.13 119.62,41 v1(119.62,41.21) 117.97,42.86 117.97,43.92 v1(109.77,52.12)
Net-(SW19B-DOUT): length 37
  Top w0.254: SW20.3 30.43,22.53 29.47,21.56 v1(29.47,20.76) ; v1(21.47,14.66) 21.48,14.65 21.48,13.51 20.34,12.37
  Bottom w0.254: 20.83,31.2 20.83,27.2 23.64,24.38 24.19,24.38 27.81,20.76 v1(29.47,20.76) ; SW20.3 31.36,20.65 29.58,20.65 v1(29.47,20.76) ; v1(29.47,20.76) 27.57,20.76 v1(21.47,14.66) 21.18,14.38 20.23,14.38 19.28,13.43
Net-(SW20B-DOUT): length 21.8
  Top w0.254: SW20.1 37.42,23.95 38.35,24.88 v1(38.35,25.67) 39.52,25.67 43.43,29.58 v1(47.53,29.58) 47.53,29.74 48.74,30.96 49.56,30.96
  Bottom w0.254: 49.95,29.51 49.73,29.3 47.81,29.3 v1(47.53,29.58) ; v1(38.35,25.67) 38.14,25.88 36.54,25.88 SW20.1
unconnected-(PSW1A-A-Pad1): length 10.3
  Top w0.254: 12.54,105.88 13.17,105.88 ; 12.54,105.88 10.97,105.88 10.35,105.26 10.35,103.62 v1(10.36,103.62) ; 12.54,105.88 12.76,105.88 12.86,105.78
  Bottom w0.254: v1(10.36,103.62) 10.35,103.61 10.35,101.63 10.94,101.04 11.79,101.04 12.02,101.28 PSW1.1

## Copper pours and planes (outline as drawn; the poured copper is in the pictures)
GND on Top, Bottom: 99.57,115.15 140.42,115.28 140.45,93 145.12,92.2 142.6,78.3 161.1,75 153.7,33.73 135.27,37.2 134.37,32.18 112.05,36.28 112.75,40.15 98.75,41.25 83.5,41.2 83.27,27.28 73.12,27.3 64.82,26.95 57.17,25.65 47.12,22.55 37.62,18.03 28.12,12.3 28.22,11.75 14.72,-1.35 -1.3,14.8 9,24.98 9.02,115.03 9.17,115.03 21.75,114.98 21.77,107.63 30.42,107.6 30.42,114.98 76.97,115.13 77,118.9 99.55,118.9

Small or netless copper shapes (teardrops, artwork), in the pictures only: 9 on Top, 8 on Bottom

## Text on the board
Bottom: REVISION 1.4 LP KS33 / BY ELECTRONLAB
B.Mask: REVISION 1.4 LP KS33 / BY ELECTRONLAB
B.Silkscreen: --LED | --TX | --GND | --SDA | --SCL | --RX | --ROW0 | --ROW1 | --ROW2 | --ROW3 | --AUDIO | BATT+-- | GND-- | RST-- | VCC-- | ENC A-- | ENC B-- | COL0-- | COL2-- | COL3-- | COL4-- | COL5-- | COL1-- | BLK | RED | TRACK / BALL | GND | VCC | SCL | SDA | LOST / THUMB? | MOUNT MCU ON BOTTOM / COMPONENTS FACING PCB | TENTING / PUCK | BATT | RST | ENC | OLED | HAPTIC BUZZ | BUZZER
Top: REVISION 1.4 LP KS33 / BY ELECTRONLAB
F.Mask: REVISION 1.4 LP KS33 / BY ELECTRONLAB
F.Silkscreen: --LED | --TX | --GND | --SDA | --SCL | --RX | --ROW0 | --ROW1 | --ROW2 | --ROW3 | --AUDIO | COL1-- | BATT+-- | GND-- | RST-- | VCC-- | ENC A-- | ENC B-- | COL0-- | COL2-- | COL3-- | COL4-- | COL5-- | RED | BLK | SDA | SCL | VCC | GND | TRACK / BALL | BUZZER | BATT | RST | ENC | OLED | HAPTIC BUZZ | TENTING / PUCK | MOUNT MCU ON BOTTOM / COMPONENTS FACING PCB
